# Allegro board C000PC009-HI3516DV300-CORE-A-A01.brd
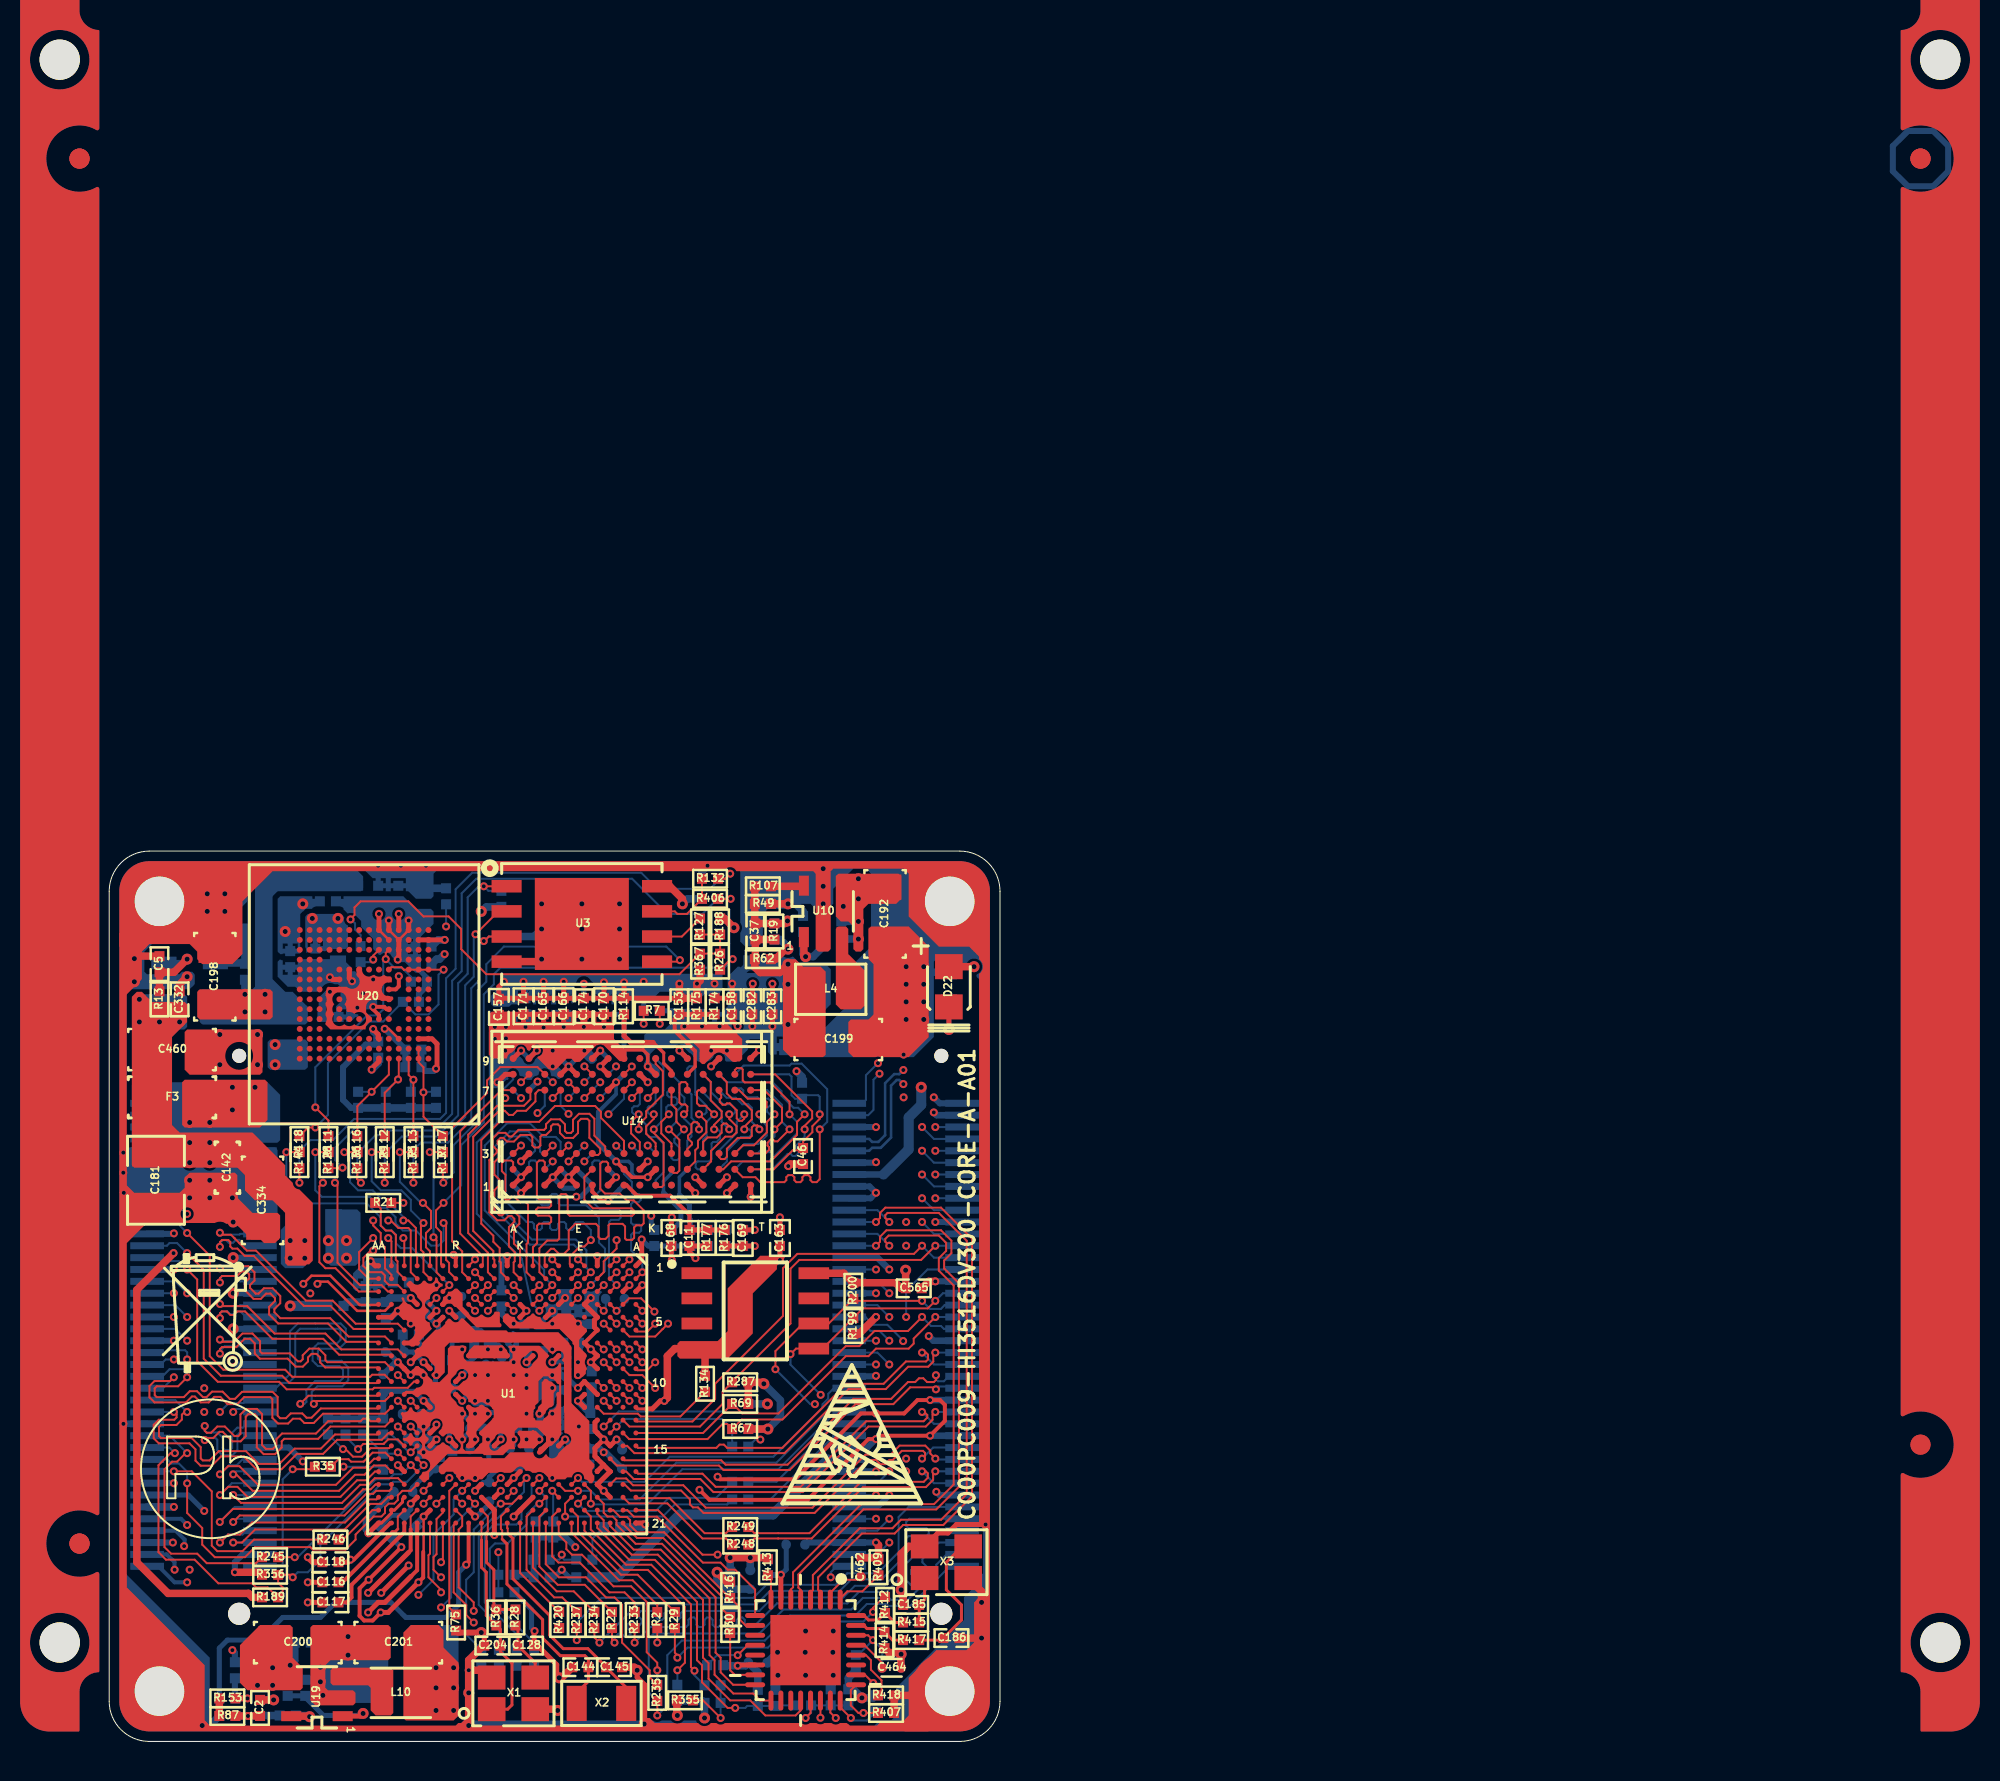
[diagram p0: board, top side]
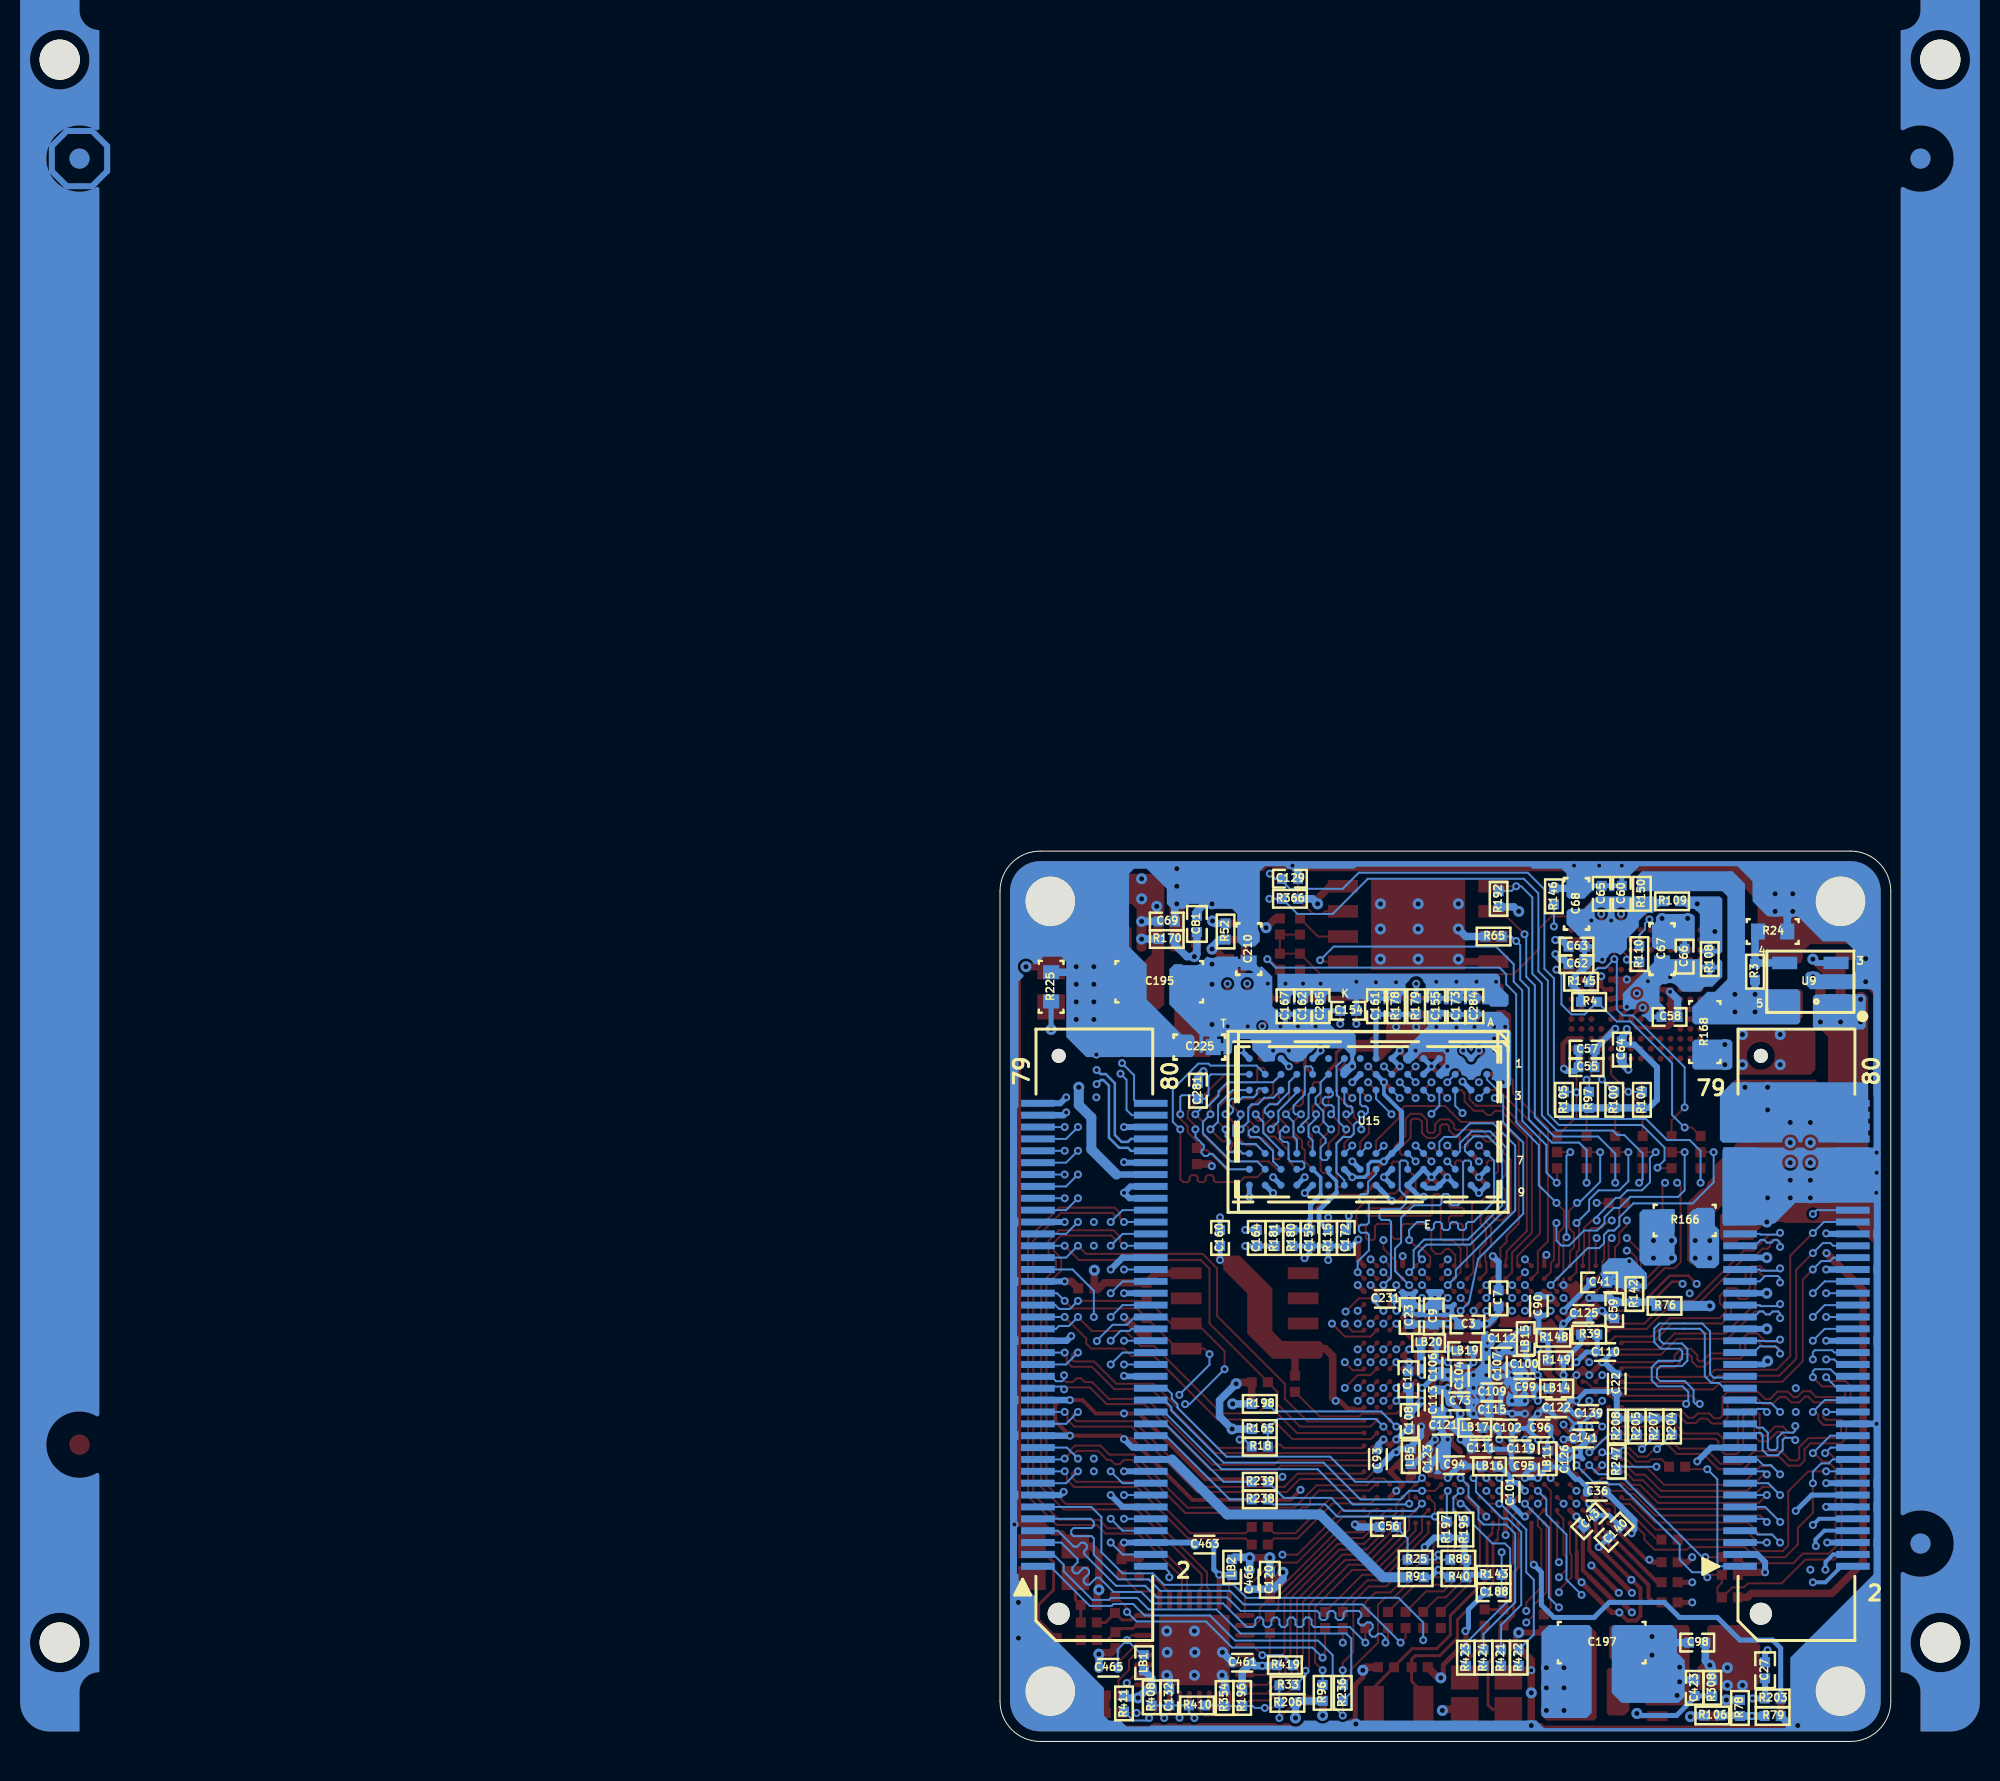
[diagram p1: board, bottom side, seen from below]

Outline 45 x 45 mm; copper layers: TOP, ART02, ART03, ART04, ART05, BOTTOM. Coordinates in mm from the lower left corner of the outline.
Outline path: 0,42.97 arc(0.6,44.4) 2.03,45 42.97,45 arc(44.4,44.4) 45,42.97 45,2.03 arc(44.4,0.6) 42.97,0 2.03,0 arc(0.6,0.6) 0,2.03 0,42.97

## Design rules (mm)
net group $10N9450: nets $10N9450 SDIO1_CDATA3
net group $10N9451: nets $10N9451 SDIO1_CDATA2
net group $10N9452: nets $10N9452 SDIO1_CDATA1
net group $10N9453: nets $10N9453 SDIO1_CCMD
net group $10N9454: nets $10N9454 SDIO1_CDATA0
net group $10N9455: nets $10N9455 SDIO1_CCLK_OUT
net group $10N9456: nets $10N9456 SDIO0_CCLK_OUT
net group $19N2573: nets $19N2573 EMMC_CLK/SFC_CLK/SFC_BOOT_MODE
net group $25N58: nets $25N58 EPHY_CLK
net group $25N63: nets $25N63 MDCK/BOOT_SEL0
net group $25N69: nets $25N69 RMII_CLK
net group $25N1561: nets $25N1561 DSI_D3P/LCD_DATA16/LCD1_DATA5
net group $25N1562: nets $25N1562 DSI_D3N/LCD_DATA17/LCD1_CLK
net group $25N1564: nets $25N1564 VI_VS/SENSOR_VS/SENSOR1_CLK
net group $25N1576: nets $25N1576 VI_CLK/VO_CLK
net group DIFFPAIR4: nets DDR3_CLK_N DDR3_CLK_P
net group DIFFPAIR18: nets USB_DM USB_DP
net group DIS_FLOW_CTRL: nets DIS_FLOW_CTRL N14034
net group JTAG_TCK/SPI1_SDO: nets $19N2543 JTAG_TCK/SPI1_SDO
net group JTAG_TRSTN/SPI1_SCLK: nets $19N2544 JTAG_TRSTN/SPI1_SCLK
net group MIPI: nets MIPI_RX0_CK1N/VI_DATA8 MIPI_RX0_CK1P/VI_DATA9
net group MIPI-DSI: nets DSI_D2N/LCD_DATA14/LCD1_DATA3 DSI_D2P/LCD_DATA15/LCD1_DATA4
net group SENSOR0_CLK: nets $25N1565 SENSOR0_CLK
net group SPI0_SCLK/I2C0_SCL: nets $25N1563 SPI0_SCLK/I2C0_SCL
net group DDR3_DQ0: nets DDR3_DQ1 DDR3_DQ3 DDR3_DQ5 DDR3_DQ7 DDR3_DQS0_N DDR3_DQS0_P
net group DDR3_DQ1: nets DDR3_DQ8 DDR3_DQ9 DDR3_DQ10 DDR3_DQ11 DDR3_DQ13 DDR3_DQ14 DDR3_DQ15 DDR3_DQS1_N DDR3_DQS1_P
net group DDR3_DQ2: nets DDR3_DQ17 DDR3_DQ18 DDR3_DQ19 DDR3_DQ20 DDR3_DQ21 DDR3_DQ22 DDR3_DQ23 DDR3_DQS2_N DDR3_DQS2_P
net group DDR3_DQ3: nets DDR3_DQ25 DDR3_DQ27 DDR3_DQ29 DDR3_DQ30 DDR3_DQ31 DDR3_DQS3_N DDR3_DQS3_P

## Placement (name value [footprint] x y rotation side)
C2  100pF  [SC0402]  7.62 1.69 270 top
C3  220nF  [SC0402]  21.39 21.07 0 bottom
C5  100NF/NC*  [SC0402]  2.54 39.28 90 top
C7  220nF  [SC0402]  19.81 22.39 90 bottom
C9  4.7uF  [SC0402-PD]  23.09 21.48 90 bottom
C11  220nF  [SC0402]  29.31 25.45 270 top
C12  4.7uF  [SC0402-PD]  24.37 18.3 90 bottom
C22  2.2UF  [SC0402-BGA]  13.84 18.08 90 bottom
C23  4.7uF  [SC0402-PD]  24.31 21.5 90 bottom
C27  2.2UF  [SC0402-PD]  6.35 3.6 90 bottom
C36  100NF  [SC0402-BGA]  14.86 12.61 0 bottom
C37  100pF  [SC0402]  32.64 40.94 90 top
C41  470nF  [SC0402-PD]  14.73 23.2 180 bottom
C43  100nF  [SC0402]  15.21 11.14 315 bottom
C46  1NF  [SC0402]  35.05 29.59 270 top
C55  2.2UF  [HSC0402]  15.37 34.08 180 bottom
C56  100nF  [SC0402]  25.4 10.84 0 bottom
C57  100nF  [SC0402]  15.37 34.97 180 bottom
C58  100nF  [SC0402]  11.18 36.62 180 bottom
C59  100NF/NC*  [SC0402]  13.97 21.8 270 bottom
C60  100nF  [SC0402]  13.59 42.84 90 bottom
C62  100nF  [SC0402]  15.88 39.28 0 bottom
C63  100nF  [SC0402]  15.88 40.17 0 bottom
C64  100nF  [SC0402]  13.59 34.97 270 bottom
C65  100nF  [SC0402]  14.61 42.84 90 bottom
C66  100nF  [SC0402]  10.41 39.67 90 bottom
C67  10UF  [SC0603]  11.56 40.05 90 bottom
C68  10UF  [SC0603]  15.88 42.33 90 bottom
C69  100nF  [SC0402]  36.58 41.44 180 bottom
C73  220nf  [SC0402-BGA]  21.79 17.19 180 bottom
C81  2.2uF/NC*  [SC0402-PD]  35.05 41.32 90 bottom
C90  100NF  [SC0402-BGA]  17.78 22.01 270 bottom
C93  4.7UF  [SC0402-BGA]  25.91 14.27 90 bottom
C94  220nf  [SC0402-BGA]  22.07 13.96 0 bottom
C95  220nf  [SC0402-BGA]  18.57 13.88 0 bottom
C96  2.2UF  [SC0402-BGA]  17.74 15.82 0 bottom
C98  100nF  [SC0402]  9.78 4.99 0 bottom
C99  2.2UF  [SC0402-BGA]  18.5 17.87 0 bottom
C100  2.2UF  [SC0402-BGA]  18.54 19.04 0 bottom
C101  2.2UF  [SC0402-BGA]  19.2 12.61 270 bottom
C102  2.2UF  [SC0402-BGA]  19.4 15.82 180 bottom
C104  2.2UF  [SC0402-BGA]  21.77 18.47 270 bottom
C106  2.2UF  [SC0402-BGA]  23.1 18.89 270 bottom
C107  4.7UF  [SC0402-BGA]  19.84 18.93 270 bottom
C108  220nF  [SC0402]  24.31 16.2 270 bottom
C109  4.7UF  [SC0402-BGA]  20.17 17.65 0 bottom
C110  2.2UF  [SC0402-BGA]  14.43 19.68 0 bottom
C111  100NF  [SC0402-BGA]  20.73 14.8 180 bottom
C112  220nf  [SC0402-BGA]  19.67 20.34 0 bottom
C113  100NF  [SC0402-BGA]  23.1 17.24 270 bottom
C115  220nf  [SC0402-BGA]  20.17 16.73 0 bottom
C116  4.7uF  [SC0402-PD]  11.18 8.04 0 top
C117  4.7uF  [SC0402-PD]  11.18 7.03 0 top
C118  4.7uF  [SC0402-PD]  11.18 9.06 0 top
C119  220nf  [SC0402-BGA]  18.7 14.77 0 bottom
C120  4.7uF  [SC0402-PD]  31.37 8.17 270 bottom
C121  4.7UF  [SC0402-BGA]  22.63 15.95 0 bottom
C122  2.2UF  [SC0402-BGA]  16.92 16.84 180 bottom
C123  2.2UF  [SC0402-BGA]  23.37 14.27 90 bottom
C125  2.2UF  [SC0402-BGA]  15.53 21.61 180 bottom
C126  100NF  [SC0402-BGA]  16.45 14.26 270 bottom
C128  18PF  [SC0402]  21.06 4.84 0 top
C129  10NF  [SC0402]  30.35 43.6 180 bottom
C132  1NF  [SC0402]  36.45 2.23 90 bottom
C139  2.2UF  [SC0402-BGA]  15.29 16.55 0 bottom
C140  4.7uF  [SC0402-PD]  13.97 10.58 135 bottom
C141  2.2UF  [SC0402-BGA]  15.54 15.3 0 bottom
C142  100NF  [SC0603]  5.97 29 270 top
C144  27PF  [SC0402]  23.8 3.75 180 top
C145  27PF  [SC0402]  25.5 3.75 0 top
C153  220nF  [SC0402]  28.8 37.16 90 top
C154  220nF/NC*  [SC0402]  27.41 36.93 180 bottom
C155  220nF/NC*  [SC0402]  22.96 37.16 90 bottom
C157  4.7uF  [SC0402-PD]  19.69 37.13 90 top
C158  220nF/NC*  [SC0402]  31.47 37.16 270 top
C159  220nF  [SC0402]  29.36 25.45 270 bottom
C160  220nF/NC*  [SC0402]  33.88 25.45 270 bottom
C161  220nF  [SC0402]  26.01 37.16 90 bottom
C162  100nF  [SC0402]  29.69 37.16 90 bottom
C163  4.7uF/NC*  [SC0402-PD]  33.88 25.45 270 top
C164  100nF  [SC0402]  32.03 25.45 90 bottom
C165  4.7uF/NC*  [SC0402-PD]  21.95 37.16 90 top
C166  4.7uF/NC*  [SC0402-PD]  22.96 37.16 90 top
C167  100nF  [SC0402]  30.58 37.16 90 bottom
C168  4.7uF  [SC0402-PD]  28.4 25.45 270 top
C169  4.7uF/NC*  [SC0402-PD]  32 25.45 90 top
C170  4.7uF/NC*  [SC0402-PD]  24.99 37.16 90 top
C171  4.7uF/NC*  [SC0402-PD]  20.93 37.16 90 top
C172  100nF  [SC0402]  27.53 25.45 270 bottom
C173  100nF  [SC0402]  21.95 37.16 90 bottom
C174  100nF  [SC0402]  23.98 37.16 90 top
C181  22UF  [SC1210B]  2.36 28.36 270 top
C185  22PF  [SC0402]  40.51 6.9 0 top
C186  22PF  [SC0402]  42.55 5.22 180 top
C188  2.2UF  [SC0402]  20.07 7.53 180 bottom
C192  22uF  [SC1206]  39.19 41.82 270 top
C195  47UF/NC*  [SC1206]  36.96 38.4 0 bottom
C197  47UF  [SC1206]  14.61 4.99 180 bottom
C198  22uF  [SC1206]  5.33 38.65 90 top
C199  22uF  [SC1206]  36.83 35.47 0 top
C200  22uF  [SC1206]  9.53 4.99 0 top
C201  47UF  [SC1206]  14.61 4.99 180 top
C204  18PF  [SC0402]  19.35 4.84 180 top
C210  10UF/NC*  [SC0603]  32.44 40.05 90 bottom
C225  10UF  [SC0603]  34.93 35.09 0 bottom
C231  2.2PF  [SC0402-BGA]  25.55 22.37 180 bottom
C281  1NF  [SC0402]  35 32.89 90 bottom
C282  100nF  [SC0402]  32.49 37.16 90 top
C283  100nF  [SC0402]  33.5 37.16 90 top
C284  100nF  [SC0402]  21.03 37.16 90 bottom
C285  100nF  [SC0402]  28.8 37.16 90 bottom
C332  100nF  [SC0402]  3.56 37.51 90 top
C334  22uF  [SC1206]  7.75 27.35 270 top
C423  100nF  [SC0402]  9.91 2.71 90 bottom
C460  22uF  [SC1206]  3.18 34.97 0 top
C461  100NF  [SC0402-BGA]  32.77 3.98 0 bottom
C462  100NF  [SC0402-BGA]  37.97 8.8 90 top
C463  100NF  [SC0402-BGA]  34.67 9.95 0 bottom
C464  100NF  [SC0402-BGA]  39.52 3.72 0 top
C465  100NF  [SC0402-BGA]  39.52 3.72 0 bottom
C466  100NF  [SC0402-BGA]  32.39 8.17 270 bottom
C565  100NF  [SC0402]  40.64 22.9 180 top
D22  LED  [SD0805-LED]  42.42 38.14 270 top
F3  SF-1206F200-2  [SF1206]  3.18 32.55 180 top
H1  hole4c2_5mm  [HOLE4C2_5MM]  42.46 2.54 0 top
H2  hole4c2_5mm  [HOLE4C2_5MM]  2.54 2.54 0 top
H3  hole4c2_5mm  [HOLE4C2_5MM]  42.46 42.46 0 top
H4  hole4c2_5mm  [HOLE4C2_5MM]  2.54 42.46 0 top
ID1  -  [ID-BOARD]  -1.5 10 0 top
ID2  -  [ID-BOARD]  -1.5 80 0 top
ID3  -  [ID-BOARD]  91.5 80 0 top
ID4  -  [ID-BOARD]  -1.5 10 180 bottom
ID5  -  [ID-BOARD]  -1.5 80 180 bottom
ID6  -  [ID-BOARD]  91.5 80 180 bottom
J1  -  [FX8C-80S-SV]  40.23 20.55 90 bottom
J2  -  [FX8C-80S-SV]  4.77 20.55 90 bottom
L4  2.2UH  [HSL1008]  36.45 38.01 180 top
L10  470NH  [SL1008F]  14.73 2.45 0 top
LB1  LB  [SL0402]  37.72 3.98 90 bottom
LB2  LB  [SL0402]  33.27 8.8 270 bottom
LB5  LB  [SL0402]  24.26 14.39 270 bottom
LB11  LB  [SL0402]  17.34 14.29 90 bottom
LB14  LB  [SL0402]  16.88 17.84 0 bottom
LB15  LB  [SL0402]  18.44 20.36 270 bottom
LB16  LB  [SL0402]  20.27 13.9 180 bottom
LB17  LB  [SL0402]  21.02 15.85 180 bottom
LB19  LB  [SL0402]  21.52 19.73 180 bottom
LB20  LB  [SL0402]  23.35 20.15 180 bottom
NOREF  -  [unnamed]  0 0 90 top
NOREF#2  -  [unnamed#2]  0 90 270 top
NOREF#3  -  [#3]  50.55 -40.09 0 top
NOREF#4  -  [#3]  -29.08 -63.46 0 top
NOREF#5  -  [#3]  91.95 45 0 top
NOREF#6  -  [#3]  36.83 15.03 0 top
NOREF#7  -  [#3]  -5 88 0 top
NOREF#8  -  [unnamed#4]  90 90 90 top
NOREF#9  -  [unnamed#5]  90 0 270 top
NOREF#10  -  [#3]  0 -2.5 270 top
NOREF#11  -  [#3]  93 0 90 top
NOREF#12  -  [#3]  90 -2.5 270 top
NOREF#13  -  [#3]  7.49 21.76 0 top
NOREF#14  -  [#3]  45 -2.5 270 top
R2  33  [SR0402]  27.69 6.14 270 top
R3  12K  [SR0402]  6.86 38.9 90 bottom
R4  47K  [SR0402]  15.24 37.38 180 bottom
R7  100  [SR0402]  27.41 36.93 180 top
R13  10K  [SR0402]  2.54 37.51 90 top
R18  100  [SR0402]  31.88 14.9 0 bottom
R19  30K  [SR0402]  33.6 40.94 90 top
R21  33  [SR0402]  13.84 27.22 0 top
R22  33  [SR0402]  25.4 6.14 270 top
R24  9.53K  [SR0603]  5.97 40.94 180 bottom
R25  100  [SR0402]  24 9.19 0 bottom
R26  33  [SR0402]  30.86 39.41 270 top
R28  1.5K  [SR0402]  20.52 6.26 270 top
R29  33  [SR0402]  28.58 6.14 270 top
R30  33  [SR0402]  31.37 5.88 270 top
R33  33  [SR0402]  30.48 2.84 0 bottom
R35  33  [SR0402]  10.8 13.88 0 top
R36  1MEG  [SR0402]  19.56 6.26 90 top
R39  0  [SR0402]  15.24 20.56 0 bottom
R40  0/NC*  [SR0402]  21.84 8.3 0 bottom
R49  20K  [SR0402]  33.02 42.33 180 top
R52  0/NC*  [SR0402]  33.6 40.94 90 bottom
R62  24.9K  [SR0402]  33.02 39.54 0 top
R65  4.7K  [SR0402]  20.07 40.68 0 bottom
R67  1K  [SR0402]  31.88 15.79 0 top
R69  1K  [SR0402]  31.88 17.06 0 top
R75  10K/NC*  [SR0402]  17.53 6.01 270 top
R76  10K  [SR0402]  11.43 22.01 180 bottom
R78  15K  [SR0402]  7.62 1.69 270 bottom
R79  24K  [SR0402]  5.97 1.29 180 bottom
R87  100K  [SR0402]  5.97 1.29 0 top
R89  10K  [SR0402]  21.84 9.19 0 bottom
R91  0  [SR0402]  24 8.3 180 bottom
R96  1.5K  [SR0402]  28.7 2.45 90 bottom
R97  47K  [SR0402]  15.24 32.43 90 bottom
R100  47K  [SR0402]  13.97 32.43 90 bottom
R104  47K  [SR0402]  12.57 32.43 90 bottom
R105  47K  [SR0402]  16.51 32.43 90 bottom
R106  0  [SR0402]  9.02 1.31 180 bottom
R107  0  [SR0402]  33.02 43.22 180 top
R108  0  [SR0402]  9.14 39.54 90 bottom
R109  0/NC*  [SR0402]  11.05 42.46 180 bottom
R110  0  [SR0402]  12.7 39.79 270 bottom
R111  0  [SR0402]  11.07 30.19 90 top
R112  0  [SR0402]  13.92 30.19 90 top
R113  0  [SR0402]  15.37 30.19 90 top
R114  240  [SR0402]  26.01 37.16 270 top
R115  240  [SR0402]  28.42 25.45 90 bottom
R116  0  [SR0402]  12.54 30.19 90 top
R117  0  [SR0402]  16.85 30.19 90 top
R118  0  [SR0402]  9.61 30.19 90 top
R127  0/NC*  [SR0402]  29.85 41.19 90 top
R128  0/NC*  [SR0402]  11.07 29.38 270 top
R129  0/NC*  [SR0402]  13.92 29.38 270 top
R132  0/NC*  [SR0402]  30.35 43.6 0 top
R134  240  [SR0402]  30.1 18.08 270 top
R135  0/NC*  [SR0402]  15.37 29.38 270 top
R136  0/NC*  [SR0402]  12.54 29.38 270 top
R137  0/NC*  [SR0402]  16.85 29.38 270 top
R142  10K  [SR0402]  12.95 22.61 270 bottom
R143  10K  [SR0402]  20.07 8.42 180 bottom
R144  0/NC*  [SR0402]  9.61 29.38 270 top
R145  10K  [SR0402]  15.65 38.4 180 bottom
R146  20K  [SR0402]  17.02 42.71 90 bottom
R148  0/NC*  [SR0402]  17.04 20.4 180 bottom
R149  0  [SR0402]  16.92 19.26 180 bottom
R150  0  [SR0402]  12.57 42.84 90 bottom
R153  20K  [SR0402]  5.97 2.18 180 top
R165  10K  [SR0402]  31.88 15.79 180 bottom
R166  0  [SR0805]  10.41 26.33 0 bottom
R168  0  [SR0805]  9.4 35.86 270 bottom
R170  22K  [SR0402]  36.58 40.55 180 bottom
R174  1K  [SR0402]  30.58 37.16 90 top
R175  1K  [SR0402]  29.69 37.16 270 top
R176  1K  [SR0402]  31.09 25.45 270 top
R177  1K  [SR0402]  30.2 25.45 90 top
R178  1K  [SR0402]  24.99 37.16 270 bottom
R179  1K  [SR0402]  23.98 37.16 90 bottom
R180  1K  [SR0402]  30.25 25.45 90 bottom
R181  1K  [SR0402]  31.14 25.45 270 bottom
R188  10K/NC*  [SR0402]  30.86 41.19 270 top
R189  10K  [SR0402]  8.13 7.28 0 top
R192  4.7K  [SR0402]  19.81 42.59 90 bottom
R195  1K  [SR0402]  21.54 10.71 270 bottom
R196  10K  [SR0402]  32.77 2.2 270 bottom
R197  1K  [SR0402]  22.43 10.71 270 bottom
R198  1K/NC*  [SR0402]  31.88 17.06 180 bottom
R199  1K  [SR0402]  37.59 21 270 top
R200  1K  [SR0402]  37.59 22.77 90 top
R203  1K  [SR0402]  5.97 2.18 0 bottom
R204  1K  [SR0402]  11.05 15.92 270 bottom
R205  1K  [SR0402]  12.83 15.92 270 bottom
R206  10K  [SR0402]  30.48 1.95 0 bottom
R207  1K  [SR0402]  11.94 15.92 270 bottom
R208  1K  [SR0402]  13.84 15.92 270 bottom
R225  510  [SR0603]  42.42 38.14 270 bottom
R233  33  [SR0402]  26.54 6.14 270 top
R234  33  [SR0402]  24.51 6.14 270 top
R235  33  [SR0402]  27.69 2.45 270 top
R236  33  [SR0402]  27.69 2.45 270 bottom
R237  33  [SR0402]  23.62 6.14 270 top
R238  33  [SR0402]  31.88 12.23 180 bottom
R239  33  [SR0402]  31.88 13.12 180 bottom
R245  33  [SR0402]  8.13 9.31 0 top
R246  33  [SR0402]  11.18 10.2 0 top
R247  33  [SR0402]  13.84 14.14 90 bottom
R248  0  [SR0402]  31.88 9.95 0 top
R249  0  [SR0402]  31.88 10.84 0 top
R287  10K  [SR0402]  31.88 18.15 180 top
R308  51K  [SR0402]  9.02 2.71 270 bottom
R354  1K  [SR0402]  33.66 2.2 90 bottom
R355  1K/NC  [SR0402]  29.08 2.07 180 top
R356  1K  [SR0402]  8.13 8.42 180 top
R366  4.7K  [SR0402]  30.35 42.59 0 bottom
R367  1K  [SR0402]  29.85 39.41 270 top
R406  0  [SR0402]  30.35 42.59 0 top
R407  4.7K  [SR0402]  39.24 1.44 0 top
R408  4.7K/NC*  [SR0402]  37.34 2.23 90 bottom
R409  2.49K  [SR0402]  38.86 8.8 270 top
R410  0  [SR0402]  35.05 1.82 0 bottom
R411  4.7K  [SR0402]  38.74 1.92 90 bottom
R412  0  [SR0402]  39.19 6.9 270 top
R413  4.7K  [SR0402]  33.27 8.8 270 top
R414  0  [SR0402]  39.17 5.12 90 top
R415  0/NC*  [SR0402]  40.51 6.01 180 top
R416  4.7K  [SR0402]  31.37 7.66 90 top
R417  0/NC*  [SR0402]  40.51 5.12 180 top
R418  4.7K  [SR0402]  39.24 2.33 180 top
R419  4.7K  [SR0402]  30.61 3.85 180 bottom
R420  0R  [SR0402]  22.73 6.14 270 top
R421  0R  [SR0402]  19.69 4.23 270 bottom
R422  0R  [SR0402]  18.8 4.23 270 bottom
R423  0R  [SR0402]  21.46 4.23 270 bottom
R424  0R  [SR0402]  20.57 4.23 270 bottom
U1  HI3516_DDR  [BGA367-26-2121]  20.11 17.54 180 top
U3  SPI_NAND_FLASH_8PIN  [WSON8-MX25L12835ZN]  23.88 41.32 270 top
U9  RT9078  [TSOT23-5]  4.06 38.4 90 bottom
U10  SY8088  [SOT23-5]  36.04 41.95 0 top
U14  NT5CC256M16CP  [BGA96-32-1609G]  26.4 31.32 0 top
U15  NT5CC256M16CP  [BGA96-32-1609G]  26.4 31.32 0 bottom
U19  ETA3446  [SOT23-5]  10.49 2.23 90 top
U20  H26M52103FMR_NC  [BGA153-20-1414-ENIG]  12.88 37.76 90 top
U21  RTL8201F-VB-CG  [QFN32C-050-0505LH]  35.18 4.61 180 top
U59  AT88SC0104  [SO8]  32.39 21.76 0 top
X1  24MHZ  [HSX4-0302]  20.42 2.43 0 top
X2  32.768KHZ  [HSX2-0302]  24.87 1.92 180 top
X3  25MEG  [HSX4-0302]  42.29 9.06 0 top

## Library data of the parts
C2 C3 C5 C7 C9 C11 C12 C22 C23 C27 C36 C37 C41 C43 C46 C55-C60 C62-C69 C73 C81 C90 C93-C96 C98-C102 C104 C106-C113 C115-C123 C125 C126 C128 C129 C132 C139-C142 C144 C145 C153-C155 C157-C174 C181 C185 C186 C188 C192 C195 C197-C201 C204 C210 C225 C231 C281-C285 C332 C334 C423 C460-C466 = C
C565 = C_3
D22 = LED
F3 = FS-A_0
H1-H4 = Hole
ID1-ID6 = ID-BOARD
J1 J2 = CONN RCPT 40x2
L4 L10 = L
LB1 LB2 LB5 LB11 LB14-LB17 LB19 LB20 = LB
R2 R21 R22 R26 R29 R30 R33 R35 R233-R239 R245-R247 = R: signal model: R_SR0402_33_33
R3 R4 R7 R13 R18 R19 R24 R25 R28 R36 R39 R40 R49 R52 R62 R65 R67 R69 R75 R76 R78 R79 R87 R89 R91 R96 R97 R100 R104-R118 R127-R129 R132 R134-R137 R142-R146 R148-R150 R153 R165 R166 R168 R170 R174-R181 R188 R189 R192 R195-R200 R203-R208 R225 R287 R308 R354-R356 R366 R367 R406-R424 = R
R248 R249 = R: signal model: SR0402_0
U1 = HI3516_DDR_0
U3 = SPI_NAND_FLASH_0
U9 = RT9078
U10 = SY8088
U14 U15 = NT5CC256M16CP_1
U19 = SY8089
U20 = H26M52103FMR_NC
U21 = RTL8201F-VB-CG
U59 = AT88SC0104
X1 X3 = X_B
X2 = X
